# Altium PCB RTD_12POS_WPSv3.PcbDoc (part 3 of 4) (continued)
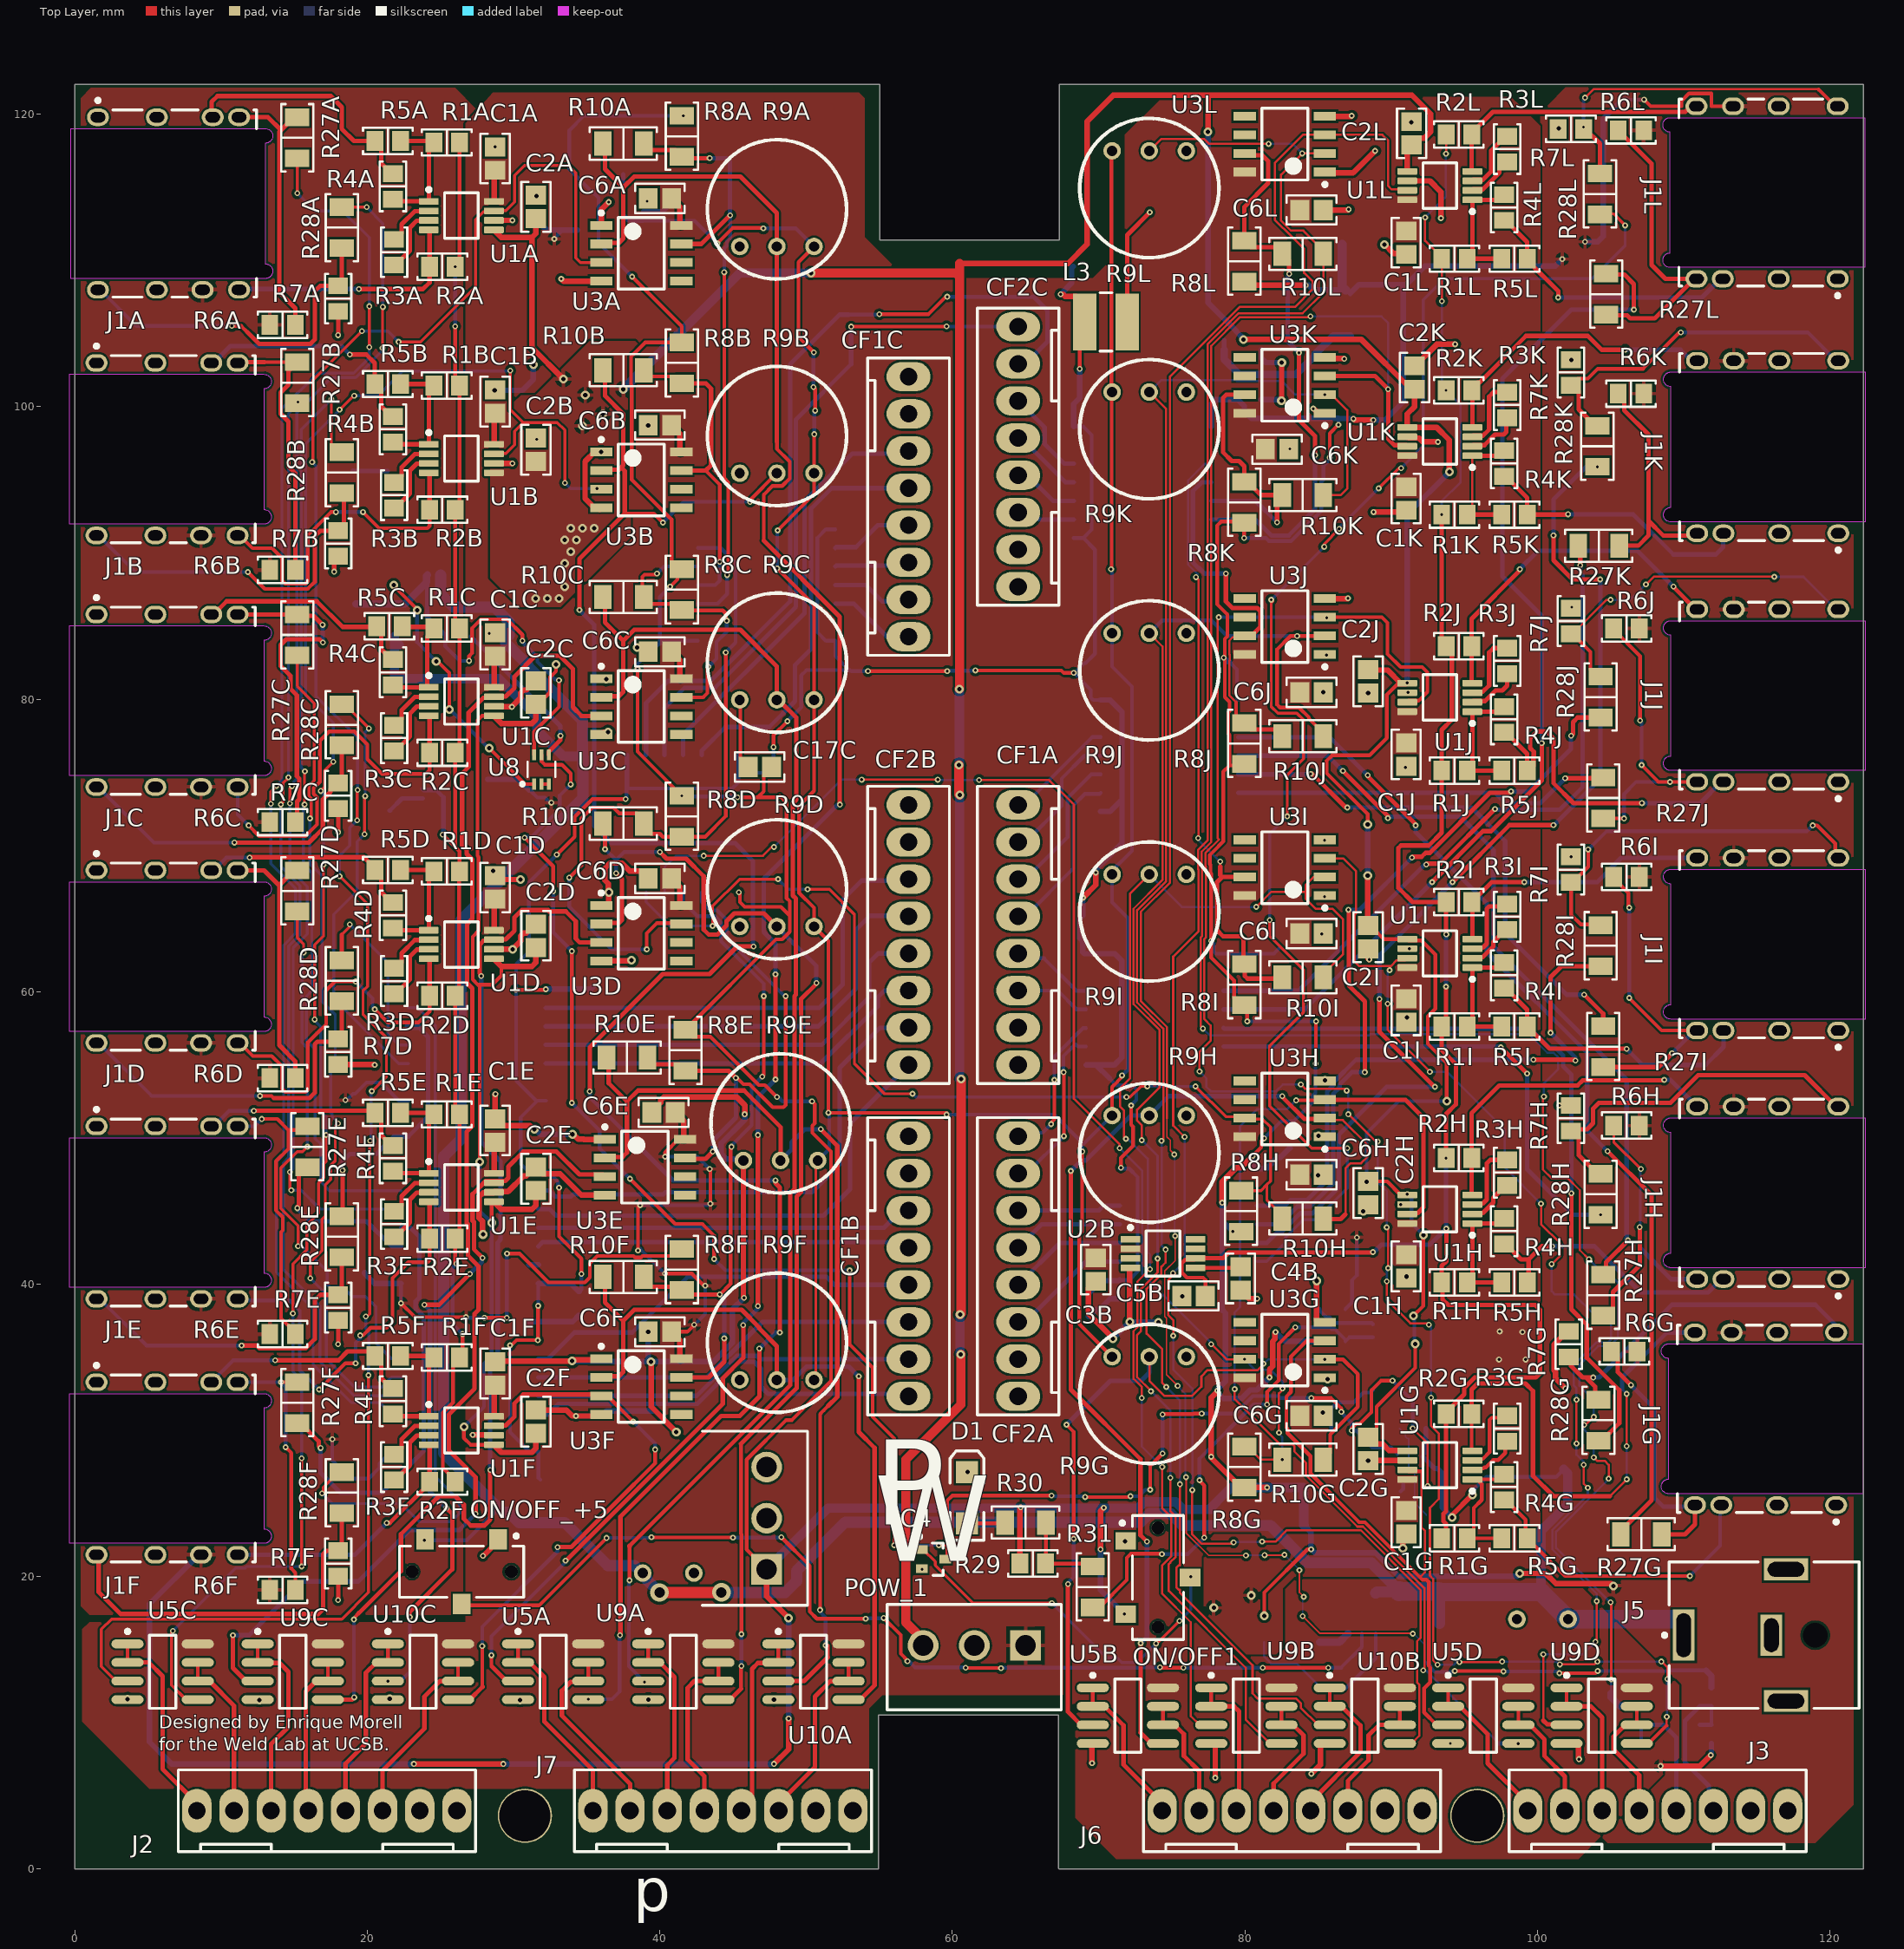
[diagram p0: Top Layer view]
## Nets (pads, with @x,y where several pads share a name; then routed paths per layer and width w, separated by ;. In a path a pad name is that pad's centre, name@x,y a point inside that pad or via, vN(x,y) a via of type N, cw(c..) or ccw(c..) an arc to the next point about the centre after c; other vN are vias at no path point) (continued)
  Bottom Layer w0.381: v2(28.7,101.125) 30.6,101.125 31.35,101.875 v2(31.35,102.875) ; v2(31.425,50.6) 31.484,50.6 31.834,50.25 v2(34.025,50.25) ; v2(34,34.75) 36.645,34.75 36.695,34.7 v2(39.4,34.7) ; v1(34.262,30.988) 36.019,30.988 36.372,31.34 39.68,31.34 v2(41.125,29.895) ; v2(39.2,36.75) 39.2,34.959 39.4,34.759 v2(39.4,34.7) ; R9E.1@45.71,48.46 45.602,48.568 44.539,48.568 44.175,48.931 44.175,49.625 45.8,51.25 v1(45.8,51.625) ; v1(45.75,39.075) 44.94,38.265 44.94,35.988 43.653,34.7 v2(39.4,34.7) ; v2(70.975,36.275) v2(72.125,37.425) 74.075,37.425 v2(74.1,37.4) ; C19C.2@81.1,100.5 82.425,100.5 v2(82.5,100.425) ; A1.1@81.12,103.9 81.12,103.334 81.43,103.025 v2(82.525,103.025)
  other v1: 102.3,69.225 29.878,79.48 28.725,117.775
  other v2: 88.43,27.93 28.6,68.275 88.43,80.427 35.987,96.905
NetA1_3: A1.3 L2.2 | length 11.5
  Bottom Layer w0.305: A1.3@78.58,103.9 A1.3@78.58,104.55
  Bottom Layer w0.508: A1.3@78.58,103.9 78.58,103.25 79.63,102.2 83.478,102.2 84.786,103.507 84.786,103.586 86.05,104.85 L2.2@87.2,104.85
NetA1_8: A1.8 L3.1 | length 8.1
  Top Layer w0.305: L3.1@71.95,105.8 71.95,111.75 v1(73.5,113.3)
NetC4A_2: C4A.2 U2A.5 | length 2.6
  Bottom Layer w0.305: C4A.2@21.5,72.4 21.55,72.4 22.375,73.225 U2A.5@23.775,73.225
NetC4B_2: C4B.2 U2B.5 | length 3.1
  Top Layer w0.254: U2B.5@76.625,41.125 79.625,41.125 C4B.2@79.7,41.2
NetC4C_2: C4C.2 U2C.5 | length 2.6
  Bottom Layer w0.305: U2C.5@38.873,113.375 40.225,113.375 41.05,114.2 C4C.2@41.1,114.2
NetC14_2: C14.2 U4.28 | length 6.8
  Bottom Layer w0.105: U4.28@90.575,30.145 90.973,29.748 90.973,29.586 91.091,29.468 91.203,29.468 91.203,27.541 91.603,27.141 91.603,25.047 92.4,24.25 C14.2@92.4,24.2
NetC37_1: C37.1 IC5.6 | length 2.2
  Bottom Layer w0.508: C37.1@85.122,15.522 86.466,15.522 IC5.6@87.05,16.106
NetC37_2: C37.2 IC5.2 L1.1 | length 0
  Bottom Layer w0.15: C37.2@83.5,15.5 C37.2@83.5,15.55
  other v2: 77.873,17.873 80.425,18.725
NetD1_1: D1.1 R30.1 | length 2.6
  Top Layer w0.254: D1.1@61,23.65 63.55,23.65 R30.1@63.6,23.7
NetIC4_1: IC4.1 ON/OFF1.2 | length 25.5
  Top Layer w0.2: IC4.1@57.9,21.85 58,21.85 58.823,21.027 58.823,20.785 61.408,18.2 v1(66.8,18.2) ; v1(73.925,15.425) 73.975,15.425 v1(75.525,16.975)
  Bottom Layer w0.2: v1(66.8,18.2) 70.542,14.458 71.265,14.458 71.588,14.135 72.677,14.135 72.677,14.177 v1(73.925,15.425) ; v1(75.525,16.975) 75.525,16.984 76.3,17.759 v1(76.3,20)
NetIC5_4: IC5.4 R25.1 R26.2 | length 12.2
  Bottom Layer w0.15: R25.1@81.3,15.525 81.3,14.55 81.8,14.05 83.55,14.05 85.15,12.45 R26.2@85.15,12.35
  Bottom Layer w0.254: R26.2@85.15,12.35 86.87,12.35 88.95,14.43 IC5.4@88.95,16.125
NetJ1A_5: J1A.5 R7A.2 R28A.1 | length 24.2
  Top Layer w0.254: v1(10.724,105.524) 11.376,105.524 11.8,105.1
  Top Layer w0.305: 11.8,105.1 12.6,104.3 16.1,104.3 16.4,104.6 16.4,107.9 16.775,108.275 R7A.2@18,108.275 18.25,108.525 R28A.1@18.25,110.85
  Bottom Layer w0.254: J1A.5@1.575,108 1.725,108 4.201,105.524 v1(10.724,105.524)
NetJ1A_6: J1A.6 R6A.2 R27A.1 | length 18.6
  Top Layer w0.305: J1A.6@11.125,119.8 13.2,119.8 14.088,118.912 ; 13.969,118.763 13.969,107.839 15.075,106.732 R6A.2@15.075,105.6 ; 13.969,118.794 14.088,118.912 ; R27A.1@15.2,119.8 14.975,119.8 14.088,118.912
NetJ1B_5: J1B.5 R7B.2 R28B.1 | length 24.3
  Top Layer w0.254: v1(11.825,88.7) 12.981,87.544 15.911,87.544 16.4,88.033
  Top Layer w0.305: 16.4,88.033 16.4,91.15 16.775,91.525 R7B.2@18,91.525 18.402,91.927 18.402,93.948 R28B.1@18.25,94.1
  Bottom Layer w0.254: J1B.5@1.475,91.2 1.625,91.2 4.125,88.7 v1(11.825,88.7)
NetJ1B_6: J1B.6 R6B.2 R27B.1 | length 19.4
  Top Layer w0.254: 12.962,103.05 R27B.1@15.2,103.05
  Top Layer w0.305: J1B.6@11.125,103.05 12.962,103.05 ; R27B.1@14.975,103.05 R27B.1@15.2,103.05 14.6,102.45 14.6,101.503 14.073,100.975 14.073,99.525 14.6,98.997 14.6,95.92 15.075,95.445 R6B.2@15.075,88.85
NetJ1C_5: J1C.5 R7C.2 R28C.1 | length 23.7
  Top Layer w0.305: v1(10.9,70.2) 16,70.2 16.955,71.155 16.955,73.158 17.2,73.402 17.212,73.402 17.477,73.667 17.477,73.852 17.9,74.275 R7C.2@18,74.275 18.25,74.525 R28C.1@18.25,76.85
  Bottom Layer w0.254: J1C.5@1.475,74 1.6,74 5.4,70.2 v1(10.9,70.2)
NetJ1C_6: J1C.6 R6C.2 R27C.1 | length 23.2
  Top Layer w0.2: R27C.1@15.2,85.8 R27C.1@15.3,85.7
  Top Layer w0.305: J1C.6@11.125,85.8 12.962,85.8 R27C.1@15.2,85.8 ; R6C.2@15.075,71.6 15.2,71.725 15.2,73.013 15.346,73.159 15.346,74.572 15.175,74.743 15.175,80.282 14.745,80.712 14.745,81.6 14.747,81.6 14.073,82.275 14.073,83.725 14.447,84.1 16.725,84.1 v1(16.95,83.875) ; R27C.1@15.3,85.7 16.325,85.7 v1(16.938,85.087)
  Bottom Layer w0.2: v1(16.938,85.087) v1@16.95,85.075
  Bottom Layer w0.305: v1(16.95,83.875) v1@16.95,85.075
NetJ1D_5: J1D.5 R7D.2 R28D.1 | length 24.4
  Top Layer w0.254: v1(12.65,52.875) 13.444,52.875 13.6,52.719
  Top Layer w0.305: 13.6,52.719 16.019,52.719 16.4,53.1 16.4,56.4 16.593,56.593 17.818,56.593 R7D.2@18,56.775 18.25,57.025 R28D.1@18.25,59.35
  Bottom Layer w0.254: J1D.5@1.475,56.5 1.625,56.5 5.25,52.875 v1(12.65,52.875)
NetJ1D_6: J1D.6 R6D.2 R27D.1 | length 18.6
  Top Layer w0.305: J1D.6@11.125,68.3 12.932,68.3 13.969,67.263 ; R6D.2@15.075,54.1 15.075,55.232 13.969,56.339 13.969,67.263 ; R27D.1@15.2,68.3 14.975,68.3 13.969,67.294 13.969,67.263
NetJ1E_5: J1E.5 R7E.2 R28E.1 | length 23.7
  Top Layer w0.305: v1(11.4,35.806) 12.441,35.806 12.625,35.623 15.775,35.623 16.4,36.247 16.4,38.9 16.775,39.275 R7E.2@18,39.275 18.25,39.525 R28E.1@18.25,41.85
  Bottom Layer w0.254: J1E.5@1.475,39 1.7,39 4.894,35.806 v1(11.4,35.806)
NetJ1E_6: J1E.6 R6E.2 R27E.1 | length 20.4
  Top Layer w0.254: v1(12.775,51.3) 13.84,51.3 14.6,50.54 ; R6E.2@15.075,36.6 15.075,36.7 14.578,37.197 14.568,37.197 14.1,37.665 14.1,43.569 14.22,43.69 14.22,44.583 13.748,45.055 13.748,48.414 14.6,49.266 14.6,50.54 ; R27E.1@15.9,50.8 15.64,50.54 14.6,50.54
  Bottom Layer w0.254: J1E.6@11.125,50.8 12.275,50.8 v1(12.775,51.3)
NetJ1F_5: J1F.5 R7F.2 R28F.1 | length 26.2
  Top Layer w0.305: J1F.5@1.625,21.5 1.625,18.95 3.12,17.455 16.655,17.455 16.975,17.775 16.975,21.539 17.211,21.775 R7F.2@18,21.775 18.25,22.025 R28F.1@18.25,24.35
NetJ1F_6: J1F.6 R6F.2 R27F.1 | length 18.7
  Top Layer w0.254: v1(14.1,33.3) R27F.1@15.2,33.3 ; v1(14.406,28.855) 14.8,28.46 14.8,20.548 15.075,20.273 R6F.2@15.075,19.1
  Bottom Layer w0.254: J1F.6@11.125,33.3 v1(14.1,33.3) 14.406,32.994 v1(14.406,28.855)
NetJ1G_5: J1G.5 R7G.2 R28G.1 | length 24.5
  Top Layer w0.305: R7G.2@102.354,34.921 102.25,35.025 R7G.2@102.15,35.025 102.304,34.871 102.304,34.407 103.086,33.625 103.48,33.625 ; v1(103.812,33.625) 103.48,33.625 ; R28G.1@104.175,32.1 103.95,32.1 103.95,32.995 103.4,33.545 103.48,33.625
  Bottom Layer w0.305: v1(103.812,33.625) 104.225,33.625 109.2,38.6 119,38.6 120.425,37.175 J1G.5@120.425,36.7
NetJ1G_6: J1G.6 R6G.2 R27G.1 | length 18.2
  Top Layer w0.305: R6G.2@105.075,35.4 105.498,34.977 105.498,34.002 v1(106.4,33.1) ; R27G.1@108.5,22.9 110.1,22.9 110.775,23.575 J1G.6@110.775,24.9
  Bottom Layer w0.305: v1(106.4,33.1) 108.002,31.498 108.002,25.398 108.6,24.8 110.675,24.8 J1G.6@110.775,24.9
NetJ1H_5: J1H.5 R7H.2 R28H.1 | length 25.3
  Top Layer w0.305: R28H.1@104.325,47.55 104.1,47.55 102.823,48.827 102.823,50.052 102.4,50.475 R7H.2@102.3,50.475 102.425,50.6 103.4,50.6 103.8,51 103.8,52 104.2,52.4 109.1,52.4 111,54.3 118.275,54.3 120.425,52.15 J1H.5@120.575,52.15
NetJ1H_6: J1H.6 R6H.2 R27H.1 | length 21.2
  Top Layer w0.2: R6H.2@105.225,50.85 105.225,49.725 v1(107.075,47.875)
  Top Layer w0.305: R27H.1@104.5,37.85 104.725,37.85 105.173,38.298 105.173,39.47 107.002,41.3 107.002,43.898 v1(107,43.9)
  Bottom Layer w0.15: v1(107,43.9) v1@107.037,43.937 ; v1@107.037,47.837 v1(107.075,47.875)
  Bottom Layer w0.2: v1@107.037,43.937 v1@107.037,47.837
  Bottom Layer w0.305: v1(107,43.9) 107.002,43.898 107.002,42.498 109.15,40.35 J1H.6@110.925,40.35
NetJ1I_5: J1I.5 R7I.2 R28I.1 | length 26.5
  Top Layer w0.254: v1(103.475,69.725) 103.475,68.55 102.4,67.475 R7I.2@102.3,67.475 102.3,65.275 102.975,64.6 104.275,64.6 R28I.1@104.325,64.55 ; v1(118.825,71.375) 119.125,71.375 120.369,70.131 120.369,69.356 J1I.5@120.575,69.15
  Bottom Layer w0.254: v1(103.475,69.725) 104.725,70.975 118.425,70.975 v1(118.825,71.375)
NetJ1I_6: J1I.6 R6I.2 R27I.1 | length 21.8
  Top Layer w0.254: R6I.2@105.225,67.85 105.225,67.75 106.225,66.75 106.225,65.8 v1(106.275,65.75) ; v1(106.275,59.575) 108.5,57.35 J1I.6@110.775,57.35
  Top Layer w0.305: R27I.1@104.5,54.85 108.275,54.85 109.2,55.775 v1(109.2,55.8) ; J1I.6@110.775,57.35 J1I.6@110.925,57.35
  Bottom Layer w0.254: v1(106.275,59.575) v1(106.275,65.75)
  Bottom Layer w0.305: v1(109.2,55.8) 109.213,55.8 110.762,57.35 J1I.6@110.925,57.35
NetJ1J_5: J1J.5 R7J.2 R28J.1 | length 24.7
  Top Layer w0.15: R7J.2@102.3,84.475 102.4,84.475 104.725,86.8 v1(105,86.8) ; v1(107.425,87.85) 107.975,88.4 116.175,88.4 v1(116.2,88.375)
  Top Layer w0.254: R7J.2@102.4,84.475 103.627,83.248 103.627,82.023 104.1,81.55 R28J.1@104.325,81.55
  Bottom Layer w0.15: v1(105,86.8) 106.334,86.8 107.384,87.85 v1(107.425,87.85) ; v1(116.2,88.375) 118.2,88.375 120.425,86.15 J1J.5@120.575,86.15
NetJ1J_6: J1J.6 R6J.2 R27J.1 | length 21
  Top Layer w0.254: R27J.1@104.5,71.85 v1(105.925,71.85) ; R6J.2@105.225,84.85 105.225,84.75 107.025,82.95 v1(107.025,78.55) ; v1(107.125,75.5) 108.275,74.35 v1(109.075,74.35) J1J.6@110.925,74.35
  Bottom Layer w0.254: v1(105.925,71.85) 105.925,73.525 106.75,74.35 v1(109.075,74.35) ; v1(107.025,78.55) 107.125,78.45 v1(107.125,75.5)
NetJ1K_5: J1K.5 R7K.2 R28K.1 | length 24.2
  Top Layer w0.254: R7K.2@102.3,101.475 102.748,101.923 103.448,101.923 104.125,102.6 107.225,102.6 109.718,105.093 v1(109.817,105.093)
  Top Layer w0.305: R7K.2@102.3,101.475 102.4,101.475 102.823,101.052 102.823,99.827 103.95,98.7 R28K.1@104.1,98.7
  Bottom Layer w0.254: v1(109.817,105.093) 118.482,105.093 120.425,103.15 J1K.5@120.575,103.15
NetJ1K_6: J1K.6 R6K.2 R27K.1 | length 16.7
  Top Layer w0.305: R6K.2@105.525,100.9 105.948,100.477 105.948,99.752 107.6,98.1 107.6,92.2 ; R27K.1@105.6,90.5 106.9,90.5 107.6,91.2 107.6,92.2 ; J1K.6@110.925,91.35 110.775,91.2 108.6,91.2 107.6,92.2
NetJ1L_5: J1L.5 R7L.2 R28L.1 | length 23.8
  Top Layer w0.15: v1(103.263,121.138) 103.854,121.729 119.201,121.729 119.23,121.7
  Top Layer w0.254: 119.23,121.7 120.38,120.55 J1L.5@120.53,120.55
  Top Layer w0.305: R7L.2@103.275,119 104.28,117.995 R28L.1@104.28,115.95
  Bottom Layer w0.105: J1L.5@120.3,120.4 120.45,120.55 J1L.5@120.53,120.55
  Bottom Layer w0.254: v1(103.15,119.125) 103.15,121.025 v1(103.263,121.138)
NetJ1L_6: J1L.6 R6L.2 R27L.1 | length 21.3
  Top Layer w0.305: R27L.1@104.7,106.25 106.139,106.25 106.35,106.039 108.019,106.039 J1L.6@110.73,108.75 ; R6L.2@105.18,119.25 107.802,116.628 107.802,109.698 108.75,108.75 J1L.6@110.73,108.75 ; J1L.6@110.88,108.75 J1L.6@110.73,108.75
NetJ2_1: J2.1 U5C.1 U5C.2 | length 14.2
  Top Layer w0.254: U5C.2@3.6,14.135 U5C.1@3.6,15.405
  Top Layer w0.305: U5C.2@3.6,14.135 5.065,14.135 6,13.2 6,6.84 8.34,4.5 J2.1@8.34,4
NetJ2_2: J2.2 U5C.6 U5C.7 | length 11.6
  Top Layer w0.254: U5C.6@8.4,12.865 U5C.7@8.4,14.135
  Top Layer w0.305: U5C.6@8.4,12.865 9.2,12.865 10.88,11.185 J2.2@10.88,4
NetJ2_3: J2.3 U9C.1 U9C.2 | length 13.6
  Top Layer w0.254: U9C.2@12.5,14.135 U9C.1@12.5,15.405
  Top Layer w0.305: U9C.2@12.5,14.135 12.535,14.1 14,14.1 14.6,13.5 14.6,9.732 13.42,8.552 J2.3@13.42,4
NetJ2_4: J2.4 U9C.6 U9C.7 | length 11.3
  Top Layer w0.254: U9C.6@17.3,12.865 U9C.7@17.3,14.135
  Top Layer w0.305: J2.4@15.96,4 15.794,4.166 15.794,12.159 16.5,12.865 U9C.6@17.3,12.865
NetJ2_5: J2.5 U10C.1 U10C.2 | length 13.1
  Top Layer w0.254: U10C.2@21.4,14.135 U10C.1@21.4,15.405
  Top Layer w0.305: J2.5@18.5,4 18.5,7.2 19.894,8.594 19.894,13.429 20.6,14.135 U10C.2@21.4,14.135
NetJ2_6: J2.6 U10C.6 U10C.7 | length 13
  Top Layer w0.254: U10C.6@26.187,12.852 U10C.6@26.2,12.865 U10C.7@26.2,14.135
  Top Layer w0.305: J2.6@21.04,4 21.04,6.74 23.9,9.6 23.9,11.8 24.952,12.852 U10C.6@26.187,12.852
NetJ3_1: J3.1 U5D.1 U5D.2 | length 11.1
  Top Layer w0.254: U5D.2@93.9,11.135 U5D.1@93.9,12.405
  Top Layer w0.305: U5D.2@93.9,11.135 94.7,11.135 96.6,9.235 96.6,7.24 99.34,4.5 J3.1@99.34,4
NetJ3_2: J3.2 U5D.6 U5D.7 | length 8.9
  Top Layer w0.254: U5D.6@98.7,9.865 U5D.7@98.7,11.135
  Top Layer w0.305: U5D.6@98.7,9.865 99.5,9.865 100.494,8.871 100.494,7.731 101.88,6.344 J3.2@101.88,4
NetJ3_3: J3.3 U9D.1 U9D.2 | length 10.4
  Top Layer w0.254: U9D.2@102,11.135 U9D.1@102,12.405
  Top Layer w0.305: U9D.2@102,11.135 103.665,11.135 104.42,10.38 J3.3@104.42,4
NetJ3_4: J3.4 U9D.6 U9D.7 | length 9
  Top Layer w0.254: U9D.6@106.8,9.865 U9D.7@106.8,11.135
  Top Layer w0.305: U9D.6@106.8,9.865 106,9.865 105.2,9.065 105.2,8.2 106.96,6.44 J3.4@106.96,4
NetJ3_5: J3.5 U10D.1 U10D.2 | length 9
  Bottom Layer w0.254: U10D.1@107.1,8.595 U10D.2@107.1,9.865
  Bottom Layer w0.305: U10D.2@107.1,9.865 108.635,9.865 109.5,9 J3.5@109.5,4
NetJ3_6: J3.6 U10D.6 U10D.7 | length 11.2
  Bottom Layer w0.254: U10D.7@111.9,9.865 U10D.6@111.9,11.135
  Bottom Layer w0.305: U10D.7@111.1,9.865 U10D.7@111.9,9.865 ; U10D.6@111.9,11.135 111.1,11.135 110.1,10.135 110.1,7.31 111.716,5.694 111.716,4.324 J3.6@112.04,4
NetJ6_1: J6.1 U5B.1 U5B.2 | length 10.8
  Top Layer w0.254: U5B.2@69.6,11.135 U5B.1@69.6,12.405
  Top Layer w0.305: U5B.2@69.6,11.135 70.4,11.135 71.7,9.835 71.7,7.14 74.34,4.5 J6.1@74.34,4
NetJ6_2: J6.2 U5B.6 U5B.7 | length 8.6
  Top Layer w0.254: U5B.6@74.4,9.865 U5B.7@74.4,11.135
  Top Layer w0.305: U5B.6@74.4,9.865 75.2,9.865 75.825,9.24 75.825,7.749 76.88,6.694 J6.2@76.88,4
NetJ6_3: J6.3 U9B.1 U9B.2 | length 10.2
  Top Layer w0.254: U9B.2@77.7,11.135 U9B.1@77.7,12.405
  Top Layer w0.305: U9B.2@77.7,11.135 79.265,11.135 79.6,10.8 79.6,4.18 J6.3@79.42,4
NetJ6_4: J6.4 U9B.6 U9B.7 | length 9.1
  Top Layer w0.254: U9B.6@82.5,9.865 U9B.7@82.5,11.135
  Top Layer w0.305: J6.4@81.96,4 81.96,5.86 84.006,7.906 84.006,9.159 83.3,9.865 U9B.6@82.5,9.865
NetJ6_5: J6.5 U10B.1 U10B.2 | length 11.2
  Top Layer w0.254: U10B.2@85.8,11.135 U10B.1@85.8,12.405
  Top Layer w0.305: J6.5@84.5,4 84.5,4.6 87.9,8 87.9,9.835 86.6,11.135 U10B.2@85.8,11.135
NetJ6_6: J6.6 U10B.6 U10B.7 | length 9.5
  Top Layer w0.254: U10B.6@90.6,9.865 U10B.7@90.6,11.135
  Top Layer w0.305: J6.6@87.04,4 87.04,6.04 88.459,7.459 88.459,9.159 89.165,9.865 U10B.6@90.6,9.865
NetJ7_1: J7.1 U5A.1 U5A.2 | length 14
  Top Layer w0.254: U5A.2@30.3,14.135 U5A.1@30.3,15.405
  Top Layer w0.305: U5A.2@30.3,14.135 31.1,14.135 32.1,13.135 32.1,10.1 35.42,6.78 J7.1@35.42,4
NetJ7_2: J7.2 U5A.6 U5A.7 | length 14.3
  Top Layer w0.254: U5A.6@35.1,12.865 U5A.7@35.1,14.135
  Top Layer w0.305: U5A.7@34.235,14.135 U5A.7@35.1,14.135 ; U5A.6@35.1,12.865 35.044,12.809 33.909,12.809 33.3,12.2 33.3,10.5 37.96,5.84 J7.2@37.96,4
NetJ7_3: J7.3 U9A.1 U9A.2 | length 12.8
  Top Layer w0.254: U9A.2@39.2,14.135 U9A.1@39.2,15.405
  Top Layer w0.305: U9A.2@39.2,14.135 40,14.135 41,13.135 41,7.6 40.5,7.1 J7.3@40.5,4
NetJ7_4: J7.4 U9A.6 U9A.7 | length 12.4
  Top Layer w0.254: U9A.6@44,12.865 U9A.7@44,14.135
  Top Layer w0.305: J7.4@43.04,4 43.04,6.36 41.9,7.5 41.9,12.4 42.365,12.865 U9A.6@44,12.865
NetJ7_5: J7.5 U10A.1 U10A.2 | length 13.2
  Top Layer w0.254: U10A.2@48.065,14.1 U10A.2@48.1,14.135 U10A.1@48.1,15.405
  Top Layer w0.305: J7.5@45.58,4 46.3,4.72 46.3,13.7 46.7,14.1 U10A.2@48.065,14.1
NetJ7_6: J7.6 U10A.6 U10A.7 | length 12.8
  Top Layer w0.254: U10A.6@52.887,12.852 U10A.6@52.9,12.865 U10A.7@52.9,14.135
  Top Layer w0.305: J7.6@48.12,4 48.12,4.5 50.6,6.98 50.6,11.8 51.652,12.852 U10A.6@52.887,12.852
NetON/OFF_+5_2: IC5.5 ON/OFF_+5.2 | length 71.6
  Top Layer w0.254: ON/OFF_+5.2@26.444,18.143 26.537,18.05 31.775,18.05 v1@36.375,22.65 ; v1(36.35,22.65) v1@36.375,22.65 ; v1@36.4,22.675 v1@36.375,22.65 ; v1(39.425,22.7) 39.438,22.688 44.987,22.688 v1(45,22.675) ; v1(48.3,22.7) 50.25,20.75 50.25,17.615 50.74,17.125 v1(54.075,17.125) ; v1(55.304,17.177) 56.472,16.009 56.472,14.735 56.925,14.282 v1(56.925,14.225) ; v1(60.904,13.777) 60.918,13.764 63.311,13.764 v1(63.325,13.75) ; v1(74.2,13.8) 74.212,13.8 74.237,13.775 v1(75.8,13.775) ; v1(81.225,13.775) v1(85.7,13.775)
  Bottom Layer w0.254: v1(36.35,22.65) 39.375,22.65 v1(39.425,22.7) ; v1(45,22.675) 45.002,22.673 47.85,22.673 47.852,22.675 48.275,22.675 v1(48.3,22.7) ; v1(54.075,17.125) 54.101,17.151 55.278,17.151 v1(55.304,17.177) ; v1(56.925,14.225) 57.019,14.225 57.432,13.812 60.904,13.812 v1(60.904,13.777) ; v1(63.325,13.75) 63.357,13.781 72.823,13.781 72.842,13.8 v1(74.2,13.8) ; v1(75.8,13.775) v1(81.225,13.775) ; v1(85.7,13.775) 85.707,13.781 86.582,13.781 88,15.2 IC5.5@88,16.125
NetR1A_1: R1A.1 R4A.2 R5A.2 U1A.1 | length 9
  Top Layer w0.305: R4A.2@21.75,114.2 21.9,114.05 U1A.1@24.2,114.05 24.2,117.725 R1A.1@24.55,118.075 24.45,118.175 R5A.2@22.275,118.175
NetR1B_1: R1B.1 R4B.2 R5B.2 U1B.1 | length 9
  Top Layer w0.305: R4B.2@21.75,97.585 21.9,97.435 U1B.1@24.2,97.435 24.2,101.11 R1B.1@24.55,101.46 24.45,101.56 R5B.2@22.275,101.56
NetR1C_1: R1C.1 R4C.2 R5C.2 U1C.1 | length 9.1
  Top Layer w0.305: R4C.2@21.75,80.97 21.9,80.82 U1C.1@24.2,80.82 24.17,80.82 24.098,80.893 24.098,84.293 24.55,84.745 R1C.1@24.55,84.845 24.45,84.945 R5C.2@22.275,84.945
NetR1D_1: R1D.1 R4D.2 R5D.2 U1D.1 | length 9
  Top Layer w0.305: R4D.2@21.75,64.355 21.9,64.205 U1D.1@24.2,64.205 24.2,67.88 R1D.1@24.55,68.23 24.45,68.33 R5D.2@22.275,68.33
NetR1E_1: R1E.1 R4E.2 R5E.2 U1E.1 | length 9
  Top Layer w0.305: R4E.2@21.75,47.74 21.9,47.59 U1E.1@24.2,47.59 24.2,51.265 R1E.1@24.55,51.615 24.45,51.715 R5E.2@22.275,51.715
NetR1F_1: R1F.1 R4F.2 R5F.2 U1F.1 | length 9
  Top Layer w0.305: R4F.2@21.75,31.125 21.9,30.975 U1F.1@24.2,30.975 24.2,34.65 R1F.1@24.55,35 24.45,35.1 R5F.2@22.275,35.1
NetR1G_1: R1G.1 R4G.2 R5G.2 U1G.1 | length 9.2
  Top Layer w0.254: U1G.1@95.555,26.655 U1G.1@95.879,26.655 ; R5G.2@97.555,22.63 R1G.1@95.205,22.63 95.653,23.078 95.653,24.705 96.2,25.252 96.2,26.334 U1G.1@95.879,26.655 ; R4G.2@97.73,27.005 97.38,26.655 U1G.1@95.879,26.655
NetR1H_1: R1H.1 R4H.2 R5H.2 U1H.1 | length 8.8
  Top Layer w0.305: R5H.2@97.555,40.129 R1H.1@95.205,40.129 95.555,40.479 U1H.1@95.555,44.154 97.38,44.154 R4H.2@97.73,44.504
NetR1I_1: R1I.1 R4I.2 R5I.2 U1I.1 | length 8.8
  Top Layer w0.305: R5I.2@97.555,57.628 R1I.1@95.205,57.628 95.555,57.978 U1I.1@95.555,61.653 97.38,61.653 R4I.2@97.73,62.003
NetR1J_1: R1J.1 R4J.2 R5J.2 U1J.1 | length 8.8
  Top Layer w0.305: R5J.2@97.555,75.127 R1J.1@95.205,75.127 95.555,75.477 U1J.1@95.555,79.152 97.38,79.152 R4J.2@97.73,79.502
NetR1K_1: R1K.1 R4K.2 R5K.2 U1K.1 | length 8.8
  Top Layer w0.15: R1K.1@95.205,92.626 95.555,92.976 U1K.1@95.555,96.651
  Top Layer w0.305: R1K.1@95.205,92.626 R5K.2@97.555,92.626 ; U1K.1@95.555,96.651 97.38,96.651 R4K.2@97.73,97.001
NetR1L_1: R1L.1 R4L.2 R5L.2 U1L.1 | length 8.8
  Top Layer w0.305: R5L.2@97.555,110.125 R1L.1@95.205,110.125 95.555,110.475 U1L.1@95.555,114.15 97.38,114.15 R4L.2@97.73,114.5
NetR3A_1: R3A.1 U1A.3 | length 4.6
  Top Layer w0.305: R3A.1@21.825,109.7 21.925,109.7 22.906,110.681 22.906,112.252 23.386,112.731 24.181,112.731 U1A.3@24.2,112.75
NetR3A_2: R3A.2 U1A.2 | length 3.5
  Top Layer w0.305: R3A.2@21.825,111.45 21.925,111.45 22.348,111.873 22.348,112.484 23.245,113.381 24.181,113.381 U1A.2@24.2,113.4
NetR3B_1: R3B.1 U1B.3 | length 4.6
  Top Layer w0.305: R3B.1@21.825,93.085 21.925,93.085 22.906,94.066 22.906,95.637 23.386,96.116 24.181,96.116 U1B.3@24.2,96.135
NetR3B_2: R3B.2 U1B.2 | length 3.5
  Top Layer w0.305: R3B.2@21.825,94.835 21.925,94.835 22.348,95.258 22.348,95.869 23.245,96.766 24.181,96.766 U1B.2@24.2,96.785
NetR3C_1: R3C.1 U1C.3 | length 4.6
  Top Layer w0.305: R3C.1@21.825,76.47 21.925,76.47 22.906,77.451 22.906,79.022 23.386,79.501 24.181,79.501 U1C.3@24.2,79.52
NetR3C_2: R3C.2 U1C.2 | length 3.5
  Top Layer w0.305: R3C.2@21.825,78.22 21.925,78.22 22.348,78.643 22.348,79.254 23.245,80.151 24.181,80.151 U1C.2@24.2,80.17
NetR3D_1: R3D.1 U1D.3 | length 4.6
  Top Layer w0.305: R3D.1@21.825,59.855 21.925,59.855 22.906,60.836 22.906,62.407 23.386,62.886 24.181,62.886 U1D.3@24.2,62.905
NetR3D_2: R3D.2 U1D.2 | length 3.5
  Top Layer w0.305: R3D.2@21.825,61.605 21.925,61.605 22.348,62.028 22.348,62.639 23.245,63.536 24.181,63.536 U1D.2@24.2,63.555
NetR3E_1: R3E.1 U1E.3 | length 4.6
  Top Layer w0.305: R3E.1@21.825,43.24 21.925,43.24 22.906,44.221 22.906,45.792 23.386,46.271 24.181,46.271 U1E.3@24.2,46.29
NetR3E_2: R3E.2 U1E.2 | length 3.5
  Top Layer w0.305: R3E.2@21.825,44.99 21.925,44.99 22.348,45.413 22.348,46.024 23.245,46.921 24.181,46.921 U1E.2@24.2,46.94
NetR3F_1: R3F.1 U1F.3 | length 4.6
  Top Layer w0.305: R3F.1@21.825,26.625 21.925,26.625 22.906,27.606 22.906,29.177 23.386,29.656 24.181,29.656 U1F.3@24.2,29.675
NetR3F_2: R3F.2 U1F.2 | length 3.5
  Top Layer w0.305: R3F.2@21.825,28.375 21.925,28.375 22.348,28.798 22.348,29.409 23.245,30.306 24.181,30.306 U1F.2@24.2,30.325
NetR3G_1: R3G.1 U1G.3 | length 4.9
  Top Layer w0.254: U1G.3@95.555,27.955 95.653,28.053 96.266,28.053 96.725,28.512 96.725,30.725 96.874,30.874 97.799,30.874 R3G.1@97.93,31.005
NetR3G_2: R3G.2 U1G.2 | length 3.6
  Top Layer w0.254: U1G.2@95.555,27.305 95.653,27.403 96.306,27.403 96.384,27.48 96.48,27.48 96.975,27.975 97.325,27.975 97.8,28.45 97.8,29.125 R3G.2@97.93,29.255
NetR3H_1: R3H.1 U1H.3 | length 5.1
  Top Layer w0.305: U1H.3@95.555,45.454 95.628,45.527 96.276,45.527 96.532,45.783 96.532,48.268 96.769,48.504 R3H.1@97.93,48.504
NetR3H_2: R3H.2 U1H.2 | length 3.4
  Top Layer w0.305: U1H.2@95.555,44.804 95.628,44.877 96.276,44.877 96.987,45.587 96.987,45.911 97.83,46.754 R3H.2@97.93,46.754
NetR3I_1: R3I.1 U1I.3 | length 5
  Top Layer w0.305: U1I.3@95.555,62.953 95.628,63.026 96.276,63.026 96.532,63.282 96.532,65.668 96.711,65.846 97.773,65.846 R3I.1@97.93,66.003
NetR3I_2: R3I.2 U1I.2 | length 3.4
  Top Layer w0.305: U1I.2@95.555,62.303 95.628,62.376 96.276,62.376 96.987,63.086 96.987,63.41 97.83,64.253 R3I.2@97.93,64.253
NetR3J_1: R3J.1 U1J.3 | length 5
  Top Layer w0.305: U1J.3@95.555,80.452 95.628,80.525 96.276,80.525 96.7,80.948 96.7,83.2 97,83.5 97.928,83.5 R3J.1@97.93,83.502
NetR3J_2: R3J.2 U1J.2 | length 3.7
  Top Layer w0.305: U1J.2@95.555,79.802 95.628,79.875 96.425,79.875 97.15,80.6 97.6,80.6 97.93,80.93 R3J.2@97.93,81.752
NetR3K_1: R3K.1 U1K.3 | length 5
  Top Layer w0.305: U1K.3@95.555,97.951 95.628,98.024 96.276,98.024 96.7,98.447 96.7,100.7 97,101 97.929,101 R3K.1@97.93,101.001
NetR3K_2: R3K.2 U1K.2 | length 3.7
  Top Layer w0.305: U1K.2@95.555,97.301 95.628,97.374 96.374,97.374 97.1,98.1 97.7,98.1 97.879,98.279 97.879,99.2 R3K.2@97.93,99.251
NetR3L_1: R3L.1 U1L.3 | length 4.5
  Top Layer w0.305: U1L.3@95.555,115.45 95.628,115.523 96.276,115.523 96.842,116.088 96.842,117.512 97.83,118.5 R3L.1@97.93,118.5
NetR3L_2: R3L.2 U1L.2 | length 3.4
  Top Layer w0.305: U1L.2@95.555,114.8 95.628,114.873 96.276,114.873 97.407,116.004 97.407,116.327 97.83,116.75 R3L.2@97.93,116.75
NetR13_2: R13.2 U4.31 | length 4.9
  Bottom Layer w0.254: R13.2@86,30 85.902,30.098 85.902,31.507 86.318,31.923 87.435,31.923 88.104,32.592 88.577,32.592 U4.31@88.75,32.765
NetR16_1: R16.1 U4.36 | length 4.1
  Bottom Layer w0.254: R16.1@85.125,38.3 85.125,38.2 85.573,37.752 85.781,37.752 86.185,37.348 88.667,37.348 U4.36@88.75,37.265
NetR21_1: R21.1 R22.2 U7.27 U8.6 | length 29.9
  Top Layer w0.254: v1(26.95,82.625) 26.95,82.95 27.152,83.152 27.152,84.852 27.772,85.472 29.54,85.472 30.6,84.412 v1(30.6,84) ; U8.6@31.4,76.199 31.4,77.778 33.1,79.478 v1(33.1,81.3)
  Bottom Layer w0.254: R21.1@25.325,84.3 25.325,83.625 26.325,82.625 v1(26.95,82.625) ; v1(30.6,84) 30.6,83.908 31.626,82.882 31.626,82.558 32.818,81.366 33.034,81.366 v1(33.1,81.3)
  Bottom Layer w0.305: U7.27@24.1,88.5 24.1,88.008 24.1,85.625 25.325,84.4 R21.1@25.325,84.3
  Bottom Layer w0.508: R22.2@19.2,86.525 22.571,86.525 24.054,88.008 24.054,88.454 U7.27@24.1,88.5
NetR21_2: R21.2 U8.4 | length 11
  Top Layer w0.305: U8.4@32.4,76.199 32.4,76.408 33.2,77.208 v1(33.2,77.5)
  Bottom Layer w0.305: R21.2@27.075,84.3 33.2,78.175 v1(33.2,77.5)
NetR23_1: R23.1 U7.36 | length 2.4
  Bottom Layer w0.305: R23.1@19,95.625 19.005,95.62 U7.36@21.375,95.62
NetR29_1: R29.1 R30.2 R31.2 | length 6.1
  Top Layer w0.254: R30.2@66.4,23.7 66.4,20.925 R29.1@66.375,20.9 69.4,20.9 R31.2@69.6,20.7
NetR31_1: R15.2 R31.1 U4.35 | length 34.1
  Top Layer w0.254: R31.1@69.6,17.9 70.05,17.9 71.925,19.775 71.925,21.292 72.2,21.567 74.308,21.567 v1(74.325,21.55) ; v1(76.9,26.6) 76.9,26.558 77.225,26.233 v1(77.225,22.675) ; v1(81.525,31.775) 81.525,32.641 82.313,33.429 82.313,35.913 v1(83.45,37.05)
  Bottom Layer w0.254: v1(74.325,21.55) 76.1,21.55 v1(77.225,22.675) ; v1(76.9,26.6) 76.9,28.075 80.6,31.775 v1(81.525,31.775) ; v1(83.45,37.05) 83.452,37.052 85.815,37.052 85.923,36.944 86.131,36.944 86.875,36.2 R15.2@86.875,36.1 87.14,36.365 U4.35@88.75,36.365
NetU2A_1: U2A.1
NetU2A_3: U2A.3
NetU2A_7: U2A.7
NetU2A_8: U2A.8
NetU2B_1: U2B.1
NetU2B_3: U2B.3
NetU2B_7: U2B.7
NetU2B_8: U2B.8
NetU2C_1: U2C.1
NetU2C_3: U2C.3
NetU2C_7: U2C.7
NetU2C_8: U2C.8
NetU3A_5: U3A.5
NetU3A_6: U3A.6
NetU3B_5: U3B.5
NetU3B_6: U3B.6
NetU3C_5: U3C.5
NetU3C_6: U3C.6
NetU3D_5: U3D.5
NetU3D_6: U3D.6
NetU3E_5: U3E.5
NetU3E_6: U3E.6
NetU3F_5: U3F.5
NetU3F_6: U3F.6
NetU3G_5: U3G.5
NetU3G_6: U3G.6
NetU3H_5: U3H.5
NetU3H_6: U3H.6
NetU3I_5: U3I.5
NetU3I_6: U3I.6
NetU3J_5: U3J.5
NetU3J_6: U3J.6
NetU3K_5: U3K.5
NetU3K_6: U3K.6
NetU3L_5: U3L.5
NetU3L_6: U3L.6
NetU4_2: U4.2
NetU4_3: U4.3
NetU4_6: U4.6 U4.7 U4.21 U4.22 U4.23 U4.24 U4.38 U4.41
NetU4_7: 
NetU4_21: 
NetU4_22: 
NetU4_23: 
NetU4_24: 
NetU4_25: U4.25
NetU4_38: 
NetU4_41: 
NetU7_2: U7.2
NetU7_3: U7.3
NetU7_6: U7.6 U7.7 U7.21 U7.22 U7.23 U7.24 U7.38 U7.41
NetU7_25: U7.25
NetU7_28: U7.28
NetU7_31: U7.31
NetU7_35: U7.35
NetU8_2: U8.2 U8.3 | length 0.5
  Top Layer w0.254: U8.2@31.9,74.201 U8.3@32.4,74.201
ON/OFF: IC4.2 R12.1 R14.2 U4.27 U8.5 | length 133.4
  Top Layer w0.15: v1(59.079,22.152) 59.107,22.125 59.65,22.125 ; v1(91.475,30.145) 92.5,29.12 v1(92.5,26.2)
  Top Layer w0.254: v1(30.753,70.53) 32.7,68.583 v1(32.7,66.875) ; U8.5@31.9,76.199 31.91,76.189 31.91,75.74 32.125,75.525 33.3,75.525 33.9,74.925 v1(33.9,74.175) ; v1(33.975,52.4) v1(33.975,62.775) ; v1(37.95,47.209) 41.034,44.125 42.9,44.125 43.7,43.325 v1(43.7,41.725) ; v1(52.975,40.95) 52.975,35.875 54.55,34.3 54.55,30.925 56.025,29.45 56.025,25.579 ; v1(56.025,22.15) 56.025,25.575 ; IC4.2@59.5,21.2 59.65,21.35 59.65,22.125 59.65,25.2 60,25.55 v1(66.775,25.55) ; v1(69.075,25.45) 72.125,25.45 v1(72.175,25.5) ; v1(73.525,25.95) 73.525,27.575 v1(74.375,28.425) ; v1(74.375,31.1) 74.4,31.125 76.475,31.125 76.5,31.15 v1(77.05,31.15) ; v1(84.55,32.225) 84.561,32.214 85.888,32.214 86.6,31.502 v1(86.6,31.275) ; v1(87.3,30) 87.3,30.141 87.615,30.457 87.857,30.457 88.649,31.249 88.649,32.749 89.3,33.4 90.06,33.4 90.1,33.44 v1(90.1,33.4)
  Bottom Layer w0.105: R12.1@90.425,28.3 R12.1@90.425,28.4
  Bottom Layer w0.15: v1(56.025,22.15) 56.027,22.152 v1(59.079,22.152)
  Bottom Layer w0.254: v1(30.753,70.53) 30.819,70.596 31.238,70.596 33.155,72.513 33.155,73.43 v1(33.9,74.175) ; v1(32.7,66.875) 32.7,64.05 v1(33.975,62.775) ; v1(33.975,52.4) 35.875,50.5 35.875,49.284 v1(37.95,47.209) ; v1(43.7,41.725) 44.475,40.95 v1(52.975,40.95) ; v1(66.775,25.55) 66.825,25.5 69.025,25.5 v1(69.075,25.45) ; v1(72.175,25.5) 72.739,25.5 73.189,25.95 v1(73.525,25.95) ; v1(74.375,28.425) v1(74.375,31.1) ; v1(77.05,31.15) 79.333,31.15 80.535,32.352 82.282,32.352 82.409,32.225 v1(84.55,32.225) ; v1(86.6,31.275) 86.6,31.217 87.3,30.517 v1(87.3,30) 87.63,30 87.869,29.761 87.869,29.679 88.7,28.848 89.977,28.848 R12.1@90.425,28.4 ; v1(90.1,33.4) 91.475,32.025 v1(91.475,30.145)
RTD+1: J1A.3 R2A.1 U1A.4 | length 16.9
  Top Layer w0.305: v1(19.425,108.05) 23.8,108.05 24.25,108.5 R2A.1@24.25,109.575 24.25,112.05 U1A.4@24.2,112.1
  Bottom Layer w0.305: J1A.3@11.225,108 11.275,108.05 v1(19.425,108.05)
RTD+2: J1B.3 R2B.1 U1B.4 | length 23.4
  Top Layer w0.254: J1B.3@11.125,91.2 11.275,91.2 12.146,90.329 13.487,90.329 14.177,89.64 14.177,88.106 14.385,87.898 15.765,87.898 15.927,88.06 15.927,91.214 17.513,92.8 v1(17.85,92.8) ; v1(19.7,92.8) 20.8,91.7 24.101,91.7 24.25,91.849 R2B.1@24.25,92.96
  Top Layer w0.305: U1B.4@24.2,95.485 24.25,95.435 R2B.1@24.25,92.96
  Bottom Layer w0.254: v1(17.85,92.8) v1(19.7,92.8)